# Altium PCB PCB1.PcbDoc
Units mil, origin at the board's own origin, x right, y up, seen from the top; angles counter-clockwise.
Board outline 2765 x 3095 mil, 2 copper layers (Top Layer, Bottom Layer); 35 components, 54 nets, 227 pads, 0 vias.
Unrouted connection lines stored in the file: 79.
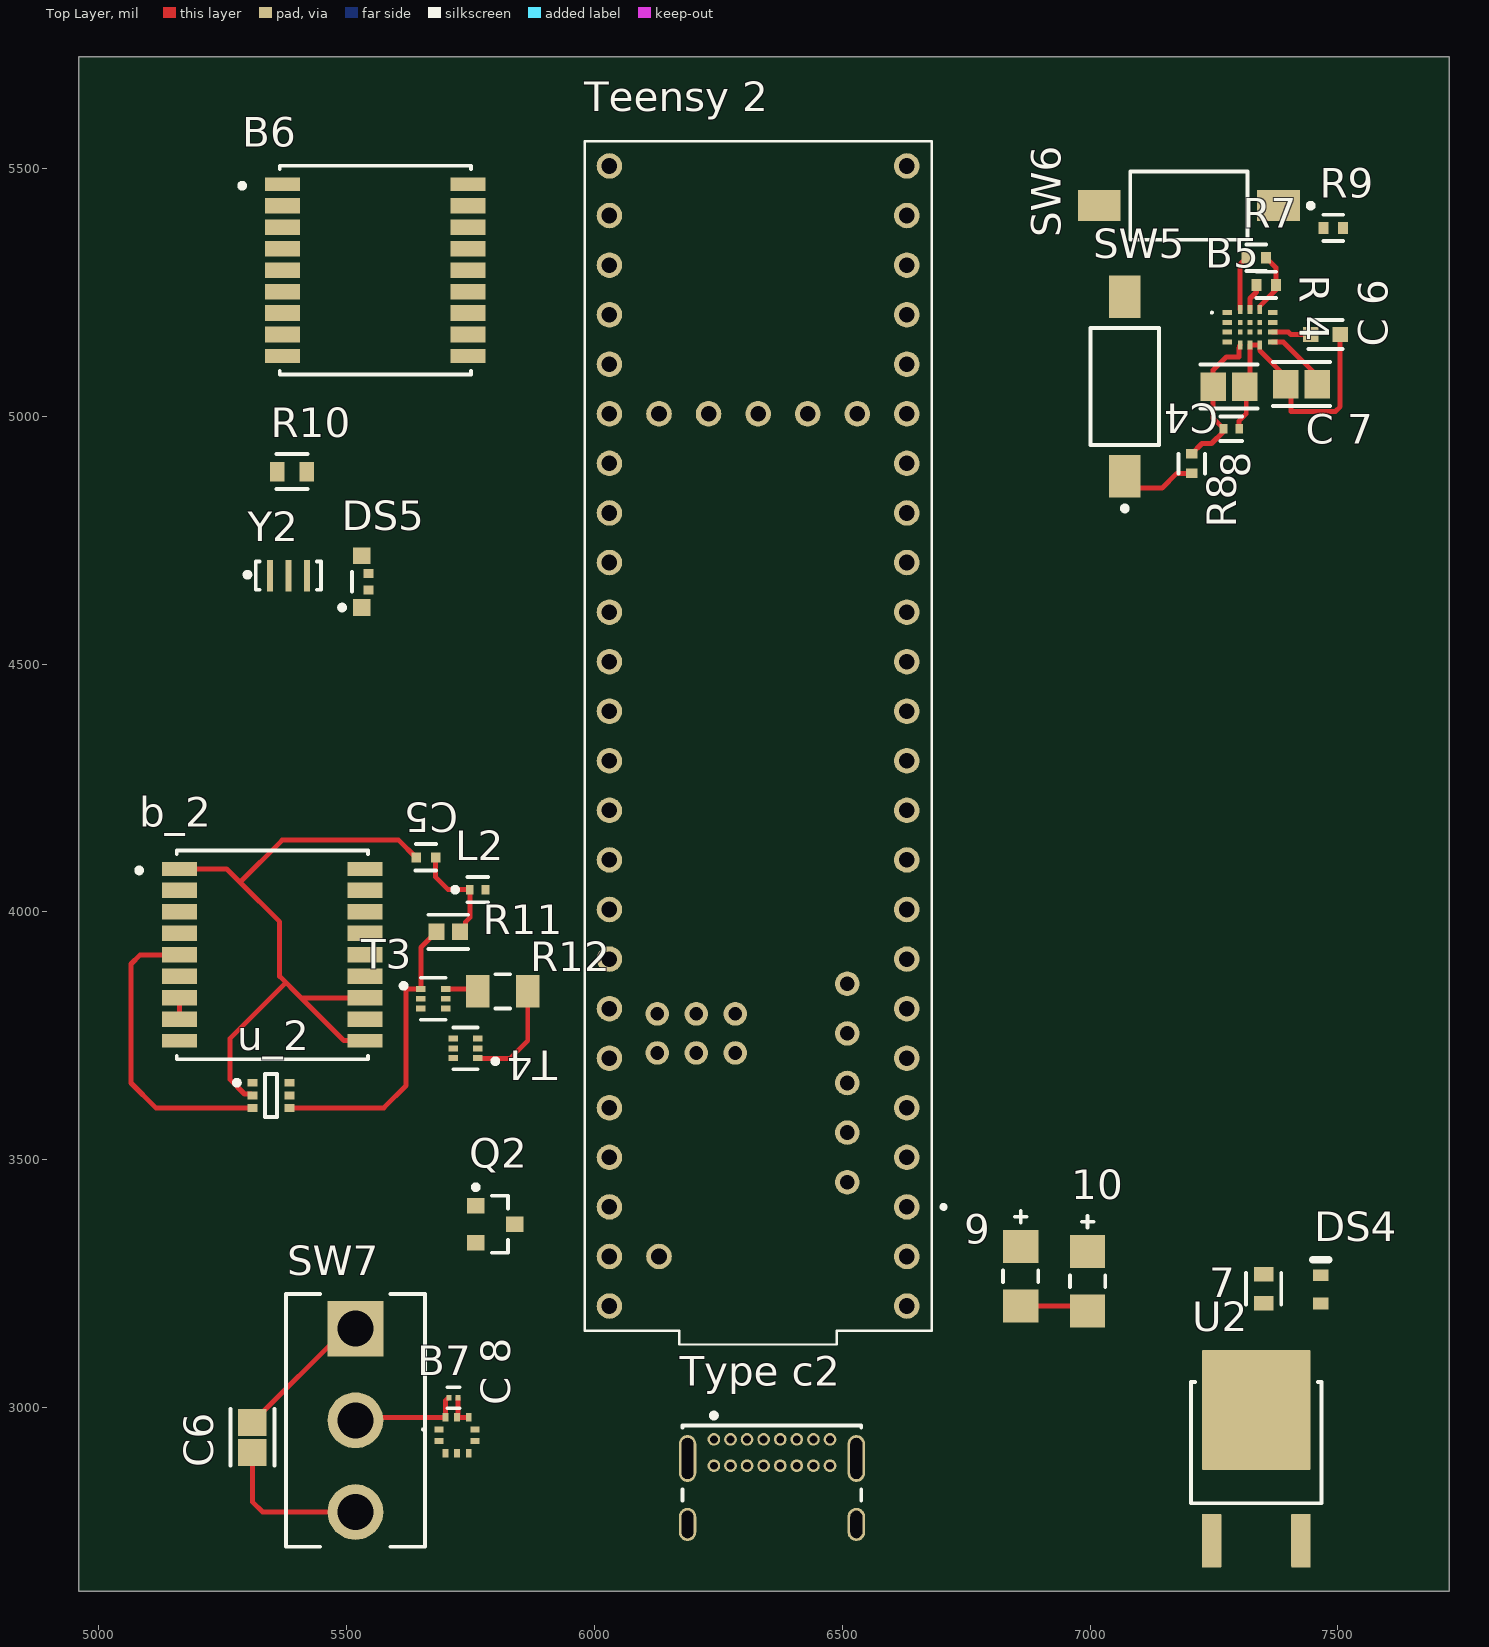
[diagram p0: Top Layer view]
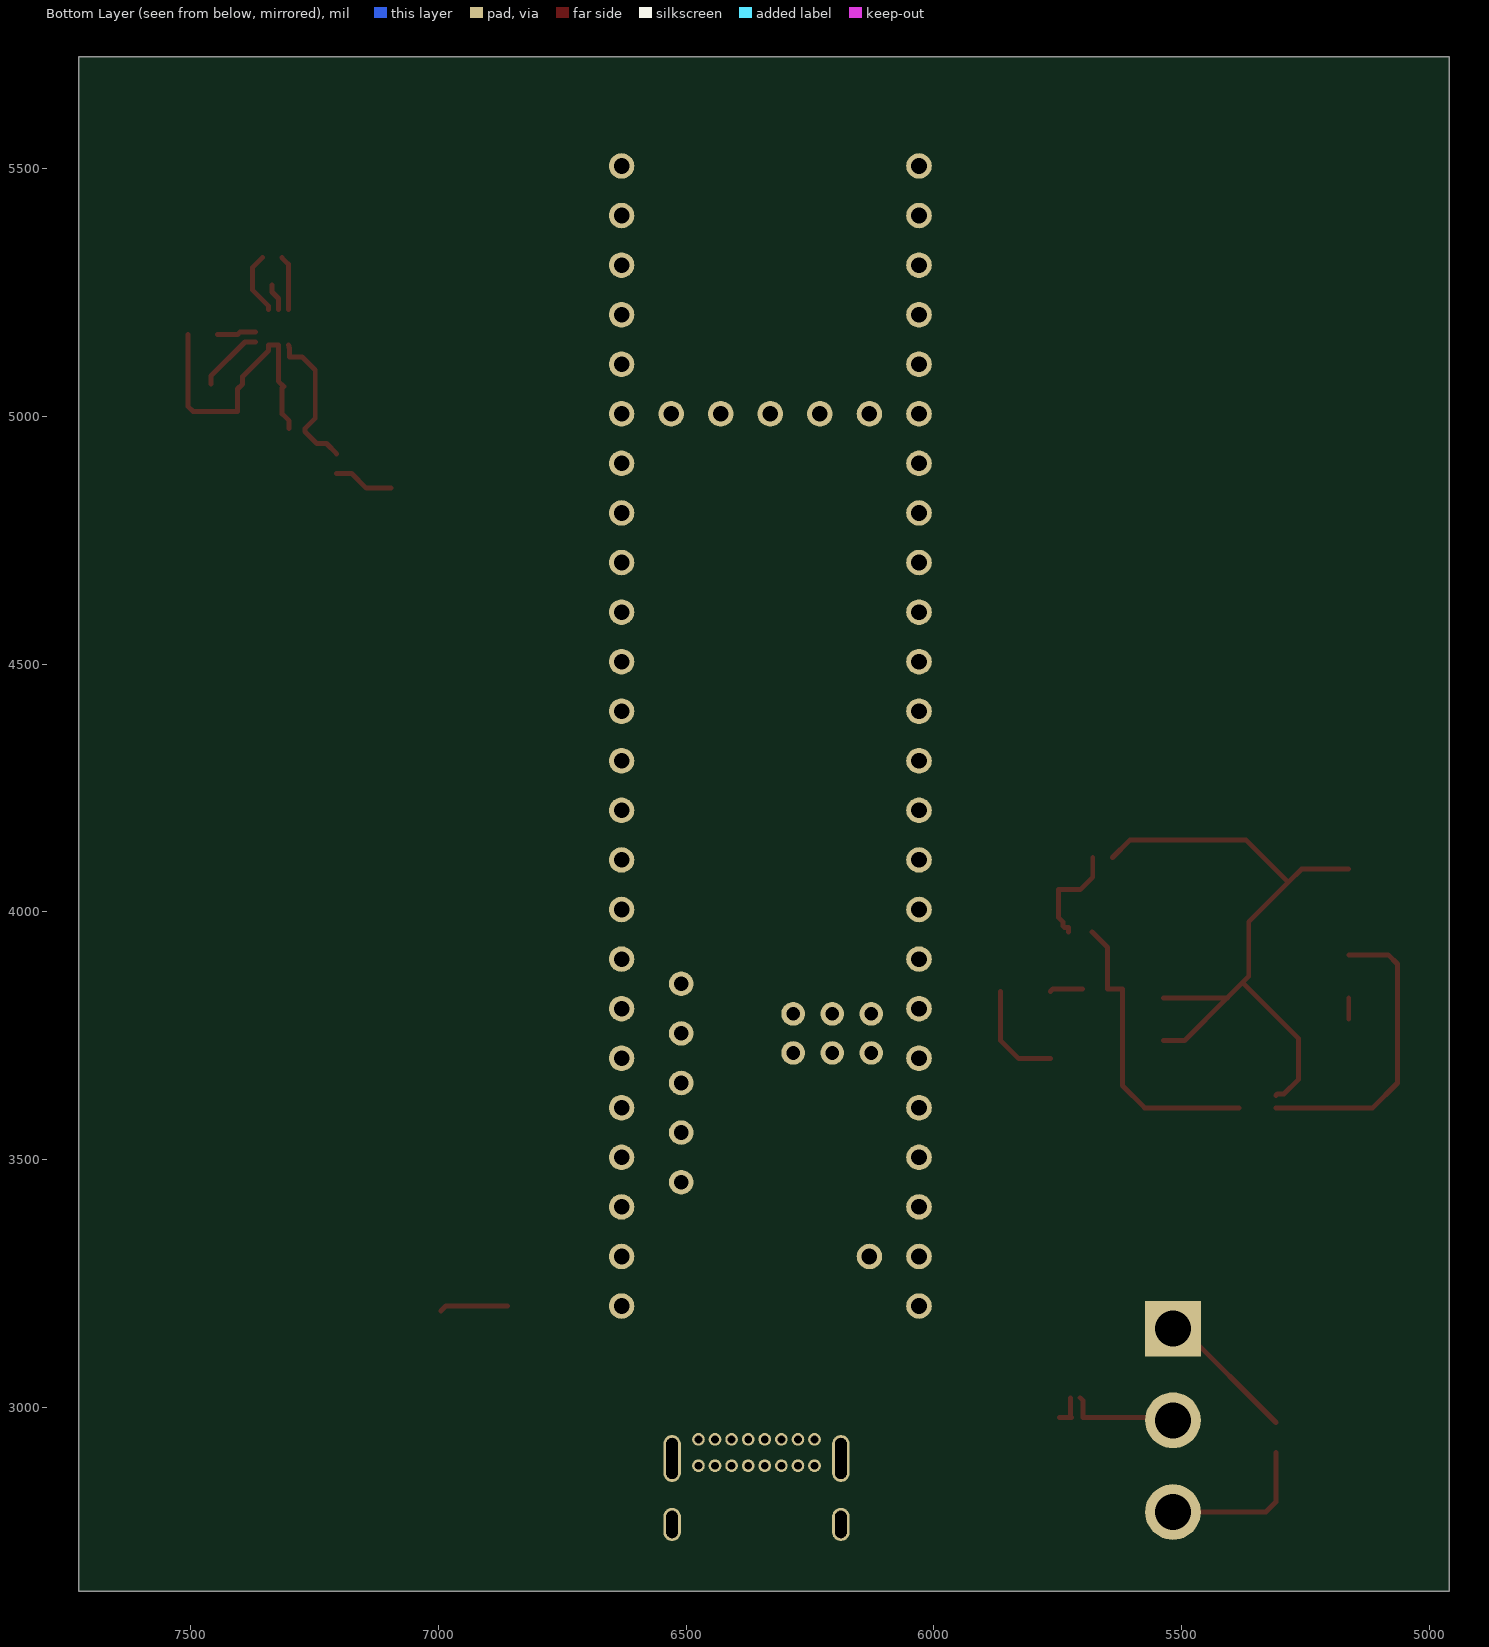
[diagram p1: Bottom Layer view, seen from below]

## Layer stack, top to bottom
Top Solder: solder mask 0.4, Solder Resist, Dk 3.5
Top Layer: signal copper 1.4
Dielectric 1: dielectric 12.6, FR-4, Dk 4.8
Bottom Layer: signal copper 1.4
Bottom Solder: solder mask 0.4, Solder Resist, Dk 3.5

## Board outline
4960,2630 7725,2630 7725,5725 4960,5725

## Design rules (kind name [scope] priority, off if disabled: settings)
Clearance [All] p1: gap=10 ignorepadtopadclearanceinfootprint=FALSE except(0: Arc-Hole Track-Hole SMDPad-Hole THPad-Hole Via-Hole Fill-Hole Poly-Hole Region-Hole Text-Hole)
PolygonConnect [All] p1: connectstyle=Relief reliefconductorwidth=10 reliefentries=4 polygonreliefangle="90 Angle" airgapwidth=10
RoomDefinition Sheet1 [InComponentClass('Sheet1')] p1: confinementstyle=ConfineIn formatcopy=TRUE lockcomponents=FALSE outline 780.22,3110 1190,3110 1190,5695 780.22,5695
RoutingVias [All] p1: holewidth=28 width=50 viastyle="Through Hole" minholewidth=28 minwidth=50 maxholewidth=28 maxwidth=50
SolderMaskExpansion [All] p1: expansion=4 istentingtop=FALSE
Width [All] p1: maxlimit=10 minlimit=10 preferedwidth=10
30 further rules are at their usual default settings.

## Components (designator, comment, footprint, x,y, rotation, side; value= is the part's Value field where it differs from the comment)
7 "CRCW0603220RFKEA" FP-CRCW0603-e3-MFG 7350.22,3240 r90 top
8 "GRM155R61A105KE15D" FP-GRM15-0_1-MFG 7285,4975 r180 top value=1uF
9 "293D105X0016A2TE3" FP-293DA-MFG 6860,3265 r90 top
10 "293D105X0016A2TE3" FP-293DA-MFG 6995,3255 r90 top
B5 "BHI360" BHI360 7322.5,5179.57 r0 top
B6 "MAX-M8Q-0" FP-MAX-M8Q-0-MFG 5557.99,5294.92 r0 top
B7 "LPS25HBTR" LPS25HBTR 5722.82,2944.41 r0 top
b_2 "MAX-M8Q-0" FP-MAX-M8Q-0-MFG 5350.22,3913.54 r0 top
C4 "08051C104K4T2A" FP-0805-L_2_01_0_2-W_1_25-IPC_B 7280,5060 r180 top
C5 "CC0402KPX7R7BB103" FP-CC0402-MFG 5660,4110 r180 top value="10 nF"
C6 "C2012X5R1H475K125AB" FP-C2012-125-0_2-IPC_B 5309.92,2940 r90 top
"C 6" "KAF15BR71E224KT" FP-KAF15B-MFG 7475,5165 r180 top
"C 7" "08051C104K4T2A" FP-0805-L_2_01_0_2-W_1_25-IPC_B 7426.72,5065 r0 top
"C 8" "GRM033R60J104KE19D" FP-GRM033-0_03-MFG 5715.65,3020 r180 top
DS4 "TLMS1000-GS08" VISH-TLMS1000_V 7465.22,3238.54 r90 top
DS5 "HSMF-C113" AVAG-HSMF-C11X_H1_V 5530.22,4666.38 r90 top
L2 "LQG15HN27NJ02D" FP-LQG15HH_02-MFG 5764.25,4045 r0 top
Q2 "MMBTA42LT1G" ONSC-SOT-23-3-318-08_V 5800,3370 r0 top
R7 "AC0402FR-074K7L" FP-AC0402-MFG 7335.31,5320 r0 top
R8 "AC0402FR-074K7L" FP-AC0402-MFG 7205,4904.69 r90 top
R9 "AC0402FR-074K7L" FP-AC0402-MFG 7490.31,5380 r0 top
R10 "CRCW0603220RFKEA" FP-CRCW0603-e3-MFG 5389.75,4888.54 r0 top
R11 "RMCF0603JT100K" FP-RMCF0603-IPC_C 5705,3960 r0 top
R12 "RMCF1206JT10R0" FP-RMCF1206-IPC_C 5815.22,3840 r0 top
"R 4" "AC0402FR-074K7L" FP-AC0402-MFG 7355.31,5265 r0 top
SW5 "FSMSMTR" TECO-FSMSMTR_V 7070,5060 r90 top
SW6 "FSMSMTR" TECO-FSMSMTR_V 7199.09,5425 r180 top
SW7 "A101SYCB04" FP-A101SYCB04-MFG 5517.82,2974.41 r0 top
T3 "SI1016X-T1-GE3" FP-C14-0439-MFG 5675,3825 r0 top
T4 "SI1016X-T1-GE3" FP-C14-0439-MFG 5740,3725 r180 top
"Teensy 2" "Teensy 4.1" MODULE_DEV-16771 6330.22,4355 r90 top
"Type c2" "USB4085-GF-A" FP-USB4085-GF-A-MFG 6358.09,2777.6 r0 top
U2 "LM317MKVURG3" FP-KVU0003A-MFG 7335.22,2929.53 r0 top
u_2 "NC7WZ07P6X" FP-419AD-01-MFG 5347.6,3630 r0 top
Y2 "CSTCE20M0V53-R0" FP-CSTCE_V-MFG 5382.62,4678.54 r0 top

## Footprints (in the part's own frame and the unit in brackets; to place one, negate y for a bottom-side part, rotate by r counter-clockwise, add the part's x,y. Pads: shape width x height; smd on the part's side, far side on the other; paste and mask are expansions set on the pad)
AVAG-HSMF-C11X_H1_V [mm] "SMD, 4-Leads, Body 2.5x1mm"
  rect 0.85x0.9 smd: 1(-1.325,0) 4(1.325,0)
  rect 0.45x0.5 smd: 2(-0.425,-0.35) 3(0.425,-0.35)
  silkscreen extent -1.45,0.5 0.5,1.12, body extent -1.25,-0.5 1.25,0.5, height 1
BHI360 [mm]
  rect 0.475x0.25 smd: 1(-1.163,0.75) 2(-1.163,0.25) 3(-1.163,-0.25) 4(-1.163,-0.75) 8(1.163,-0.75) 9(1.163,-0.25) 10(1.163,0.25) 11(1.163,0.75)
  rect 0.25x0.475 smd: 5(-0.5,-0.913) 6(0,-0.913) 7(0.5,-0.913) 12(0.5,0.912) 13(0,0.912) 14(-0.5,0.912)
  rect 0.25x0.25 smd: 15(-0.5,-0.25) 16(0,-0.25) 17(0.5,-0.25) 18(0.5,0.25) 19(0,0.25) 20(-0.5,0.25)
  silkscreen extent -2,0.7 -1.9,0.8
FP-293DA-MFG [mm]
  rect 1.7x1.8 smd paste+0 mask+0: 1(-1.525,0) 2(1.525,0)
  silkscreen extent -0.3,-0.9 3.35,0.9, body extent -2.47,-1 2.47,1, height 0.25
FP-419AD-01-MFG [mm]
  rect 0.5x0.4 smd paste+0 mask+0: 1(-0.95,0.65) 2(-0.95,0) 3(-0.95,-0.65) 4(0.95,-0.65) 5(0.95,0) 6(0.95,0.65)
  silkscreen extent -1.87,-1.1 0.3,1.1, body extent -1.3,-1.2 1.3,1.2, height 0.25
FP-0805-L_2_01_0_2-W_1_25-IPC_B [mil]
  rect 51.36x57.33 smd paste+0 mask+0: 1(-31.72,0) 2(31.72,0)
  silkscreen extent -57,-44 57,44, body extent -67,-39 67,39, height 10
FP-A101SYCB04-MFG [mil]
  rect 112.37x112.37 hole 73 paste-39370.1 mask+0: 1(0,185)
  round 112.37 hole 73 paste-39370.1 mask+0: 2(0,0) 3(0,-185)
  silkscreen extent -140,-255 140,255, body extent -144,-259 144,259, height 10
FP-AC0402-MFG [mm]
  rect 0.5x0.6 smd paste+0 mask+0: 1(-0.5,0) 2(0.5,0)
  silkscreen extent -0.5,-0.67 0.5,0.67, body extent -0.85,-0.4 0.85,0.4, height 0.25
FP-C14-0439-MFG [mil]
  rect 19x12 smd paste+0 mask+0: 1(-25,20) 2(-25,0) 3(-25,-20) 4(25,-20) 5(25,0) 6(25,20)
  silkscreen extent -65,-42 25,42, body extent -38,-40 38,40, height 10
FP-C2012-125-0_2-IPC_B [mil]
  rect 54.25x57.33 smd paste+0 mask+0: 1(-30.08,0) 2(30.08,0)
  silkscreen extent -57,-44 57,44, body extent -67,-39 67,39, height 10
FP-CC0402-MFG [mm]
  rect 0.5x0.5 smd paste+0 mask+0: 1(-0.5,0) 2(0.5,0)
  silkscreen extent -0.53,-0.68 0.53,0.67, body extent -0.87,-0.48 0.87,0.48, height 0.25
FP-CRCW0603-e3-MFG [mm]
  rect 0.75x1 smd paste+0 mask+0: 1(-0.75,0) 2(0.75,0)
  silkscreen extent -0.8,-0.9 0.8,0.9, body extent -1.22,-0.6 1.22,0.6, height 0.25
FP-CSTCE_V-MFG [mm]
  rect 0.3x1.6 smd paste+0 mask+0: 1(-0.95,0) 2(0,0) 3(0.95,0)
  silkscreen extent -2.22,-0.72 1.68,0.72, body extent -1.78,-0.9 1.78,0.9, height 0.25
FP-GRM15-0_1-MFG [mm]
  rect 0.4x0.5 smd paste+0 mask+0: 1(-0.4,0) 2(0.4,0)
  silkscreen extent -0.55,-0.63 0.55,0.63, body extent -0.7,-0.38 0.7,0.38, height 0.25
FP-GRM033-0_03-MFG [mm]
  rect 0.25x0.3 smd paste+0 mask+0: 1(-0.238,0) 2(0.238,0)
  silkscreen extent -0.32,-0.54 0.32,0.54, body extent -0.46,-0.27 0.46,0.27, height 0.25
FP-KAF15B-MFG [mm]
  rect 0.8x0.75 smd paste+0 mask+0: 1(-0.75,0) 2(0.75,0)
  silkscreen extent -0.87,-0.75 0.87,0.75, body extent -1.25,-0.58 1.25,0.58, height 0.25
FP-KVU0003A-MFG [mm]
  rrect10% 1x2.75 smd paste+0 mask+0: 1(-2.29,-5.025) 3(2.29,-5.025)
  rrect2% 5.55x6.15 smd paste-1000 mask+0: 4(0,1.675)
  silkscreen extent -3.35,-3.11 3.35,3.11, body extent -3.45,-6.5 3.45,4.85, height 0.25
FP-LQG15HH_02-MFG [mm]
  rect 0.4x0.5 smd paste+0 mask+0: 1(-0.4,0) 2(0.4,0)
  silkscreen extent -1.27,-0.64 0.53,0.65, body extent -0.7,-0.38 0.7,0.38, height 0.25
FP-MAX-M8Q-0-MFG [mm]
  rect 1.8x0.7 smd paste-1000 mask-1000: 1(-4.75,4.4) 9(-4.75,-4.4) 10(4.75,-4.4) 18(4.75,4.4)
  rect 1.8x0.8 smd paste-1000 mask-1000: 2(-4.75,3.3) 3(-4.75,2.2) 4(-4.75,1.1) 5(-4.75,0) 6(-4.75,-1.1) 7(-4.75,-2.2) 8(-4.75,-3.3) 11(4.75,-3.3) 12(4.75,-2.2) 13(4.75,-1.1) 14(4.75,0) 15(4.75,1.1) 16(4.75,2.2) 17(4.75,3.3)
  silkscreen extent -6.95,-5.35 4.9,5.35, body extent -6.35,-5.45 6.35,5.45, height 0.25
FP-RMCF0603-IPC_C [mil]
  rect 31.73x33.79 smd paste+0 mask+0: 1(-23.66,0) 2(23.66,0)
  silkscreen extent -40,-34 40,34, body extent -43,-23 43,23, height 10
FP-RMCF1206-IPC_C [mil]
  rect 47.39x65.28 smd paste+0 mask+0: 1(-50.22,0) 2(50.22,0)
  silkscreen extent -15,-34 15,34, body extent -78,-38 78,38, height 10
FP-USB4085-GF-A-MFG [mm]
  rrect100% 0.9x2.4 hole 2.1 slot 0.6 at 0 deg paste-1000 mask+0: 1(-4.325,3.045) 2(4.325,3.045)
  rrect100% 0.9x1.7 hole 1.4 slot 0.6 at 0 deg paste-1000 mask+0: 3(-4.325,-0.335) 4(4.325,-0.335)
  round 0.65 hole 0.4 paste-1000 mask+0: A1(-2.975,4.025) A4(-2.125,4.025) A5(-1.275,4.025) A6(-0.425,4.025) A7(0.425,4.025) A8(1.275,4.025) A9(2.125,4.025) A12(2.975,4.025) B1(2.975,2.675) B4(2.125,2.675) B5(1.275,2.675) B6(0.425,2.675) B7(-0.425,2.675) B8(-1.275,2.675) B9(-2.125,2.675) B12(-2.975,2.675)
  silkscreen extent -4.57,0.89 4.57,5.37, body extent -4.87,-4.83 4.87,4.83, height 0.25
LPS25HBTR [mm]
  rect 0.45x0.3 smd: 1(-0.92,0.3) 2(-0.92,-0.3) 6(0.92,-0.3) 7(0.92,0.3)
  rect 0.3x0.45 smd: 3(-0.6,-0.92) 4(0,-0.92) 5(0.6,-0.92) 8(0.6,0.92) 9(0,0.92) 10(-0.6,0.92)
  silkscreen extent -1.8,0.25 -1.7,0.35
MODULE_DEV-16771 [mm]
  round 1.308 hole 0.8: 0(-26.67,-7.62) 1(-24.13,-7.62) 2(-21.59,-7.62) 3(-19.05,-7.62) 3.3V_1(6.35,-7.62) 3.3V_2(-24.13,7.62) 3.3V_3(16.51,-2.54) 4(-16.51,-7.62) 5(-13.97,-7.62) 6(-11.43,-7.62) 7(-8.89,-7.62) 8(-6.35,-7.62) 9(-3.81,-7.62) 10(-1.27,-7.62) 11(1.27,-7.62) 12(3.81,-7.62) 13(3.81,7.62) 14(1.27,7.62) 15(-1.27,7.62) 16(-3.81,7.62) 17(-6.35,7.62) 18(-8.89,7.62) 19(-11.43,7.62) 20(-13.97,7.62) 21(-16.51,7.62) 22(-19.05,7.62) 23(-21.59,7.62) 24(8.89,-7.62) 25(11.43,-7.62) 26(13.97,-7.62) 27(16.51,-7.62) 28(19.05,-7.62) 29(21.59,-7.62) 30(24.13,-7.62) 31(26.67,-7.62) 32(29.21,-7.62) 33(29.21,7.62) 34(26.67,7.62) 35(24.13,7.62) 36(21.59,7.62) 37(19.05,7.62) 38(16.51,7.62) 39(13.97,7.62) 40(11.43,7.62) 41(8.89,7.62) GND1(-29.21,-7.62) GND2(6.35,7.62) GND3(-26.67,7.62) GND4(16.51,0) ON/OFF(16.51,5.08) PROGRAM(16.51,2.54) VBAT(16.51,-5.08) VIN(-29.21,7.62) VUSB(-26.67,5.08)
  round 1.258 hole 0.75: 5V(-22.86,-4.57) D+(-17.78,-4.57) D-(-20.32,-4.57) USB_GND1(-15.24,-4.57) USB_GND2(-12.7,-4.57)
  round 1.208 hole 0.7: GND5(-14.24,3.17) LED(-16.24,3.17) R+(-16.24,5.17) R-(-14.24,5.17) T+(-14.24,1.17) T-(-16.24,1.17)
  silkscreen extent -31.18,-9.6 30.48,8.89, body extent -31.18,-8.89 30.48,8.89, height 7.15
ONSC-SOT-23-3-318-08_V [mm] "SOT23, 3-Leads, Body 2.92x1.3mm, Pitch 0.95mm"
  rect 0.9x0.8 smd: 1(-1,0.95) 2(-1,-0.95) 3(1,0)
  silkscreen extent -1.12,-1.46 0.65,2.02, body extent -0.65,-1.46 0.65,1.46, height 1.11
TECO-FSMSMTR_V [mm] "SMD, 2-Leads, Body 6x3.5mm, Pitch 9.19mm"
  rect 2.2x1.6 smd: 1(-4.595,0)
  rect 2.18x1.6 smd: 2(4.595,0)
  silkscreen extent -6.37,-1.75 3,1.75, body extent -4.98,-1.75 4.98,1.75, height 4.4
VISH-TLMS1000_V [mm] "SMD, 2-Leads, Body 0.8x1.6mm"
  rect 0.6x0.8 smd: 1(-0.725,0) 2(0.725,0)
  silkscreen extent 1.52,-0.4 1.52,0.4, body extent -0.8,-0.4 0.8,0.4, height 0.65

## Part data
7 R10: library part CMP-2000-03085-2, "RES Thick Film, 220Ω, 1%, 0.1W, 100ppm/°C, 0603", Case Code (Imperial)=0603, Case Code (Metric)=1608, Max Operating Temperature=155°C, Max Power Dissipation=100mW, Min Operating Temperature=-55°C, Package Quantity=10, Resistance=220R, Temperature Coefficient=100ppm/°C, Tolerance=1%, Voltage Rating=75V, Case/Package=0603, Composition="Thick Film", Contact Plating=Tin, Depth=0.85mm, Features="Automotive AEC-Q200", Height=0.45mm, Lead Free="Lead Free", Length=1.55mm, Military Standard=Not, Number of Terminations=2, Packaging="Tape and Reel", Power Rating=100mW, Radiation Hardening=No, Termination=SMD/SMT, Voltage Rating (DC)=75V, Weight=7.1E-05oz, Width=0.033inch
8: library part CMP-2008-04556-2, "CAP CER 1UF 10V X5R 0402", Capacitance=1uF, Manufacturer=Murata, Package=GRM15-0.1, Temperature="-55°C to +85°C", Temperature Characteristic=X5R, Temperature Coefficient=15%, Temperature Range High=+85°C, Temperature Range Low=-55°C, Tolerance=10%, Voltage Rating=10V, Automotive=No, Category=Cap, ComponentLink2Description=Datasheet, ComponentLink2URL=https://search.murata.co.jp/Ceramy/image/img/A01X/G101/ENG/GRM155R61A105KE15-01A.pdf, Device Class L1="Passive Components", Device Class L2=Capacitors, Device Class L3="Ceramic Capacitors", Digikey Description="CAP CER 1UF 10V X5R 0402", Height=0.55mm, Ipc Land Pattern Name=CAPC10050X50, Lead Free=Yes, Manufacturer Part Number=GRM155R61A105KE15D, Material=Ceramic, Mouser Description="0402 1 uF 10 V ±10% Tolerance X5R Surface Mount Multilayer Ceramic Capacitor", Octopart=https://octopart.com/grm155r61a105ke15d-murata-197442, RoHS=TRUE
9 10: library part CMP-00030-40940187-1, "293D105X0016A2TE3 Surface Mount Tantalum Capacitor, 1 uF, 16 V, ± 20%, -55 °C, 125 °C, 1206 [3216-18 Metric]", Capacitance=1µF, Case Code (Imperial)=1206, Case Code (Metric)=3216, Dielectric Material=Tantalum, ESR (Equivalent Series Resistance)=9.3Ω, Leakage Current=500nA, Max Operating Temperature=125°C, Min Operating Temperature=-55°C, Ripple Current=90mA, Tolerance=20%, Voltage Rating=16V, Case/Package=1206, Depth=1.6mm, Dissipation Factor=4%, Features="General Purpose", Height=1.8mm, Height - Seated (Max)=1.8034mm, Lead Free="Lead Free", Length=3.2mm, Mount="PCB, Surface Mount", NexarPartId=40940187, Number of Pins=2, Packaging="Tape and Reel", Polarity=Polar, Radiation Hardening=No, REACH SVHC=Unknown, RoHS=Compliant, Schedule B="8532210050, 8532210050", Termination=SMD/SMT, Voltage Rating (DC)=16V, Width=1.6002mm
B5: "IMUs - Inertial Measurement Units Programmable smart sensor combining accelerometer, gyroscope and fusion software", Manufacturer_Name=BOSCH, Mouser Part Number=262-BHI360, Datasheet Link=https://www.bosch-sensortec.com/media/boschsensortec/downloads/datasheets/bst-bhi360-ds000.pdf, Geometry.Height=1mm, Manufacturer_Part_Number=BHI360, Mouser Price/Stock=https://www.mouser.co.uk/ProductDetail/Bosch-Sensortec/BHI360?qs=ulEaXIWI0c93cz3Dqv%252BGgg%3D%3D
B6 b_2: library part CMP-207130-000017-1, "RF RCVR GNSS/GPS 1.575GHZ 18LCC", Case/Package=SMD/SMT, Current - Receiving=23mA, Frequency=1.575GHz, Max Operating Temperature=85°C, Min Operating Temperature=-40°C, Interface=I2C, Packaging="Cut Tape", RoHS Compliant=Yes, Sensitivity=-167dBm
B7: "Board Mount Pressure Sensor 26kPa to 126kPa Absolute 10-Pin HLGA T/R", Manufacturer_Name=STMicroelectronics, Mouser Part Number=511-LPS25HBTR, Datasheet Link=https://www.st.com/resource/en/datasheet/lps25hb.pdf, Geometry.Height=0.8mm, Manufacturer_Part_Number=LPS25HBTR, Mouser Price/Stock=https://www.mouser.co.uk/ProductDetail/STMicroelectronics/LPS25HBTR?qs=GDOUxV2YAh9IvjPyBKWGzQ%3D%3D
C4 "C 7": library part CMP-2007-04172-2, "Automotive Ceramic Capacitor, 0805, 100nF, 10%, X7R, 15%, 100V", Capacitance=100nF, Case Code (Imperial)=0805, Case Code (Metric)=2012, Dielectric=X7R, Dielectric Material=Ceramic, Max Operating Temperature=125°C, Min Operating Temperature=-55°C, Package Quantity=1, Ratings=AEC-Q200, Tolerance=10%, Voltage=100V, Case/Package=0805, Construction=Flat, Depth=1.25mm, Height=1.4mm, Lead Free="Lead Free", Length=2.01mm, Mount="Surface Mount", Number of Pins=2, Packaging="Tape and Reel", Radiation Hardening=No, REACH SVHC="No SVHC", RoHS Compliant=Yes, Series=-, Termination=SMD/SMT, Thickness=0.055inch, Voltage Rating=100V, Voltage Rating (DC)=100V, Width=0.049inch
C5: library part CMP-03422-000420-1, "CC0402 10 nF X7R 10.00% 16 V", Capacitance="10 nF", Manufacturer=YAGEO, Package=CC0402, Temperature="-55°C to +125°C", Temperature Characteristic=X7R, Temperature Coefficient=30ppm/°C, Temperature Range High=+125°C, Temperature Range Low=-55°C, Tolerance=0.1, Voltage Rating="16 V", Automotive=No, Automotive Grade=NA, Category=Cap, ComponentLink2Description=Datasheet, ComponentLink2URL=http://www.yageo.com/documents/recent/UPY-GP_NP0_16V-to-50V_16.pdf, Device Class L1="Passive Components", Device Class L2=Capacitors, Device Class L3="Ceramic Capacitors", Footprint Url=http://www.yageo.com/exep/pages/download/literatures/UPY-C_GEN_24.pdf, Height=0.55mm, Ipc Land Pattern Name=CAPC10050X50, Lead Free=Yes, Manufacturer Part Number=CC0402KPX7R7BB103, Material=Ceramic, Mouser Description="Multilayer Ceramic Capacitors MLCC - SMD/SMT 10nF 16V X7R 10%", Octopart=https://octopart.com/cc0402kpx7r7bb103-yageo-12885102, RoHS=TRUE
C6: library part CMP-08246-000007-2, "Multilayer Ceramic Capacitors 4.7μF ±10% 50V X5R SMD 0805", Capacitance=4.7uF, Case Code (Imperial)=0805, Case Code (Metric)=2012, Dielectric=X5R, Dielectric Material=Ceramic, Max Operating Temperature=85°C, Min Operating Temperature=-55°C, Package Quantity=1, Tolerance=10%, Voltage=50V, Case/Package=0805, Construction=Flat, Depth=1.25mm, Height=1.25mm, Lead Free="Lead Free", Length=2mm, Mount="Surface Mount", Packaging="Tape and Reel", Radiation Hardening=No, REACH SVHC="No SVHC", Resistor Type=Ceramic, Series=C, Termination=SMD/SMT, Thickness=0.057inch, Voltage Rating=50V, Voltage Rating (DC)=50V, Weight=0.000194oz, Width=0.049inch
"C 6": library part CMP-00048-140164113-1, "KAF15BR71E224KT .22UF 25V 10% 0603", Capacitance=220nF, Case/Package=0603, Max Operating Temperature=125°C, Min Operating Temperature=-55°C, Tolerance=10%, Voltage Rating=25V, Height=950µm, Material=Ceramic, NexarPartId=140164113
"C 8": library part CMP-06035-000062-2, "Chip Multilayer Ceramic Capacitors for General Purpose, 0201, 0.10uF, X5R, 15%, 10%, 6.3V", Capacitance=100nF, Case Code (Imperial)=0201, Case Code (Metric)=0603, Dielectric=X5R, Max Operating Temperature=85°C, Min Operating Temperature=-55°C, Package Quantity=1, Tolerance=10%, Voltage=6.3V, Case/Package=0201, Depth=0.3mm, Height=0.3mm, Lead Free="Lead Free", Length=0.6mm, Material=Ceramic, Mount="Surface Mount", Packaging="Tape and Reel", Radiation Hardening=No, REACH SVHC="No SVHC", Termination=SMD/SMT, Thickness=0.013inch, Voltage Rating=6.3V, Voltage Rating (DC)=6.3V, Weight=6E-06oz, Width=0.012inch
DS4: library part CMP-2000-07254-1, "Low Current LED, 40 mW, 1.8 V, -40 to 100 degC, 2-Pin SMD (0603), RoHS, Tape and Reel", Forward Current If=2mA, Forward Voltage=1.8V, LED Colour=Red, Manufacturer=Vishay, Package Description="2-Pin Surface Mount Device, Body 1.6 x 0.8 mm", Package Reference=TLMS1000, Automotive Qualification Standard=AEC-Q100, Bulb Size=1.6mmx0.8mm, Datasheet URL=https://datasheet.ciiva.com/5798/1698881-5798337.pdf, Datasheet Version="Rev. 1.7, 02/2011", LED Mounting=SMD, Lens Shape=Rectangular, Luminous Intensity=4mcd, Manufacturer URL=http://www.vishay.com/, Mounting Technology=SurfaceMount, MSL=MSL2-1year, Packaging=CutTape, Product Range=-, SVHC=ToBeAdvised, Viewing Angle=80°, Wavelength Typ=636nm
DS5: library part CMP-2000-06422-1, "Right Angle Tricolor Surface Mount Chip LED, Red/Green/Blue, -40 to 85 degC, 4-Pin SMD, RoHS, Tape and Reel", Forward Current=20mA, Forward Voltage=3.9/2.6/2V, Manufacturer=Avago, Operating Temp Range=-40Cto85C, Operating Temperature Classification=Industrial, Package Description="4-Pin Surface Mount Device, Body 2.5 x 1 mm", Package Reference=HSMF-C11X, Package Type=ChipLed, Power Dissipation=59/39/36W, Reverse Voltage=5V, Datasheet URL=https://datasheet.ciiva.com/15117/getdatasheetpartid-133115-15117679.pdf, Datasheet Version=04/2010, DELETED=Compliant, Dominant Wave Length=470/572/626nm, High Brightness=Yes, Lens Dimensions=2.1x1x0.5mm, Lens Type=ColorlessDiffused, Lum Intensity=60/50/80mcd, Luminous Intensity=60/50/80mcd, Main Category=ChipLED, Manufacturer URL=http://www.avagotech.com/, Mounting=SurfaceMount, Mounting Technology=SurfaceMount, Number of  Elements=3, Packaging=TapeandReel, Peak Wavelength=468/570/637nm, Pin Count=4, Product Depth (mm)=1mm, Product Height (mm)=1mm, Product Length (mm)=2.5mm, Rad Hardened=No, Shape Type=Rectangular, Test Current (It)=20mA, Type=Tri-Color, Viewing Angle=125/125/120deg
L2: library part CMP-06042-015205-1, "Multilayer type RF Inductor 27nH ±5% 0.67Ω 300mA 0402", Case Code (Imperial)=0402, Case Code (Metric)=1005, Current Rating=300mA, DC Resistance (DCR)=670mR, Inductance=27nH, Inductance Tolerance=5%, Max Operating Temperature=125°C, Min Operating Temperature=-55°C, Package Quantity=10000, Self Resonant Frequency=1.6GHz, Test Frequency=100MHz, Case/Package=0402, Core Material=Air, DC Current=300mA, Depth=0.55mm, Height=0.02inch, Height - Seated (Max)=0.022inch, Lead Free="Lead Free", Length=0.039inch, Max DC Current=300mA, Military Standard=Not, Mount="Surface Mount", Packaging="Tape and Reel", Q Factor=8, Radiation Hardening=No, REACH SVHC="No SVHC", Shielding=Unshielded, Termination=SMD/SMT, Tolerance=5%, Width=0.02inch
Q2: library part CMP-1048-00662-1, "High Voltage Transistor, NPN Silicon, 3-Pin SOT-23, Pb-Free, Tape and Reel", Manufacturer="On Semiconductor", ComponentLink1Description="Manufacturer URL", ComponentLink1URL=http://www.onsemi.com/, ComponentLink2Description=Datasheet, ComponentLink2URL=http://www.onsemi.cn/pub_link/Collateral/MMBTA42LT1-D.PDF, ComponentLink3Description="Package Specification", ComponentLink3URL=http://www.onsemi.cn/pub_link/Collateral/318-08.PDF, DatasheetVersion="Rev. 12", fT Min (MHz)=50, IC Continuous (A)=0.5, Mounting Technology="Surface Mount", PackageDescription="3-Pin Small Outline Transistor, Body 2.92 x 1.3 mm, Pitch 0.95 mm", PackageReference=SOT-23-3-318-08, PackageVersion="Rev. AP, 11/2009", Packing="Tape and Reel", PartNumber=MMBTA42LT1G, Polarity=NPN, RoHS=TRUE
R7 R8 R9 "R 4": library part CMP-2002-01824-3, "RES 4.7kΩ ±1% 0.063W 0402", Case Code (Imperial)=0402, Case Code (Metric)=1005, Max Operating Temperature=155°C, Max Power Dissipation=63mW, Min Operating Temperature=-55°C, Power Rating=62.5mW, Resistance=4.7kR, Resistor Type="Thick Film", Temperature Coefficient=100ppm/°C, Tolerance=1%, Voltage Rating=50V, Case/Package=0402, Features="Moisture Resistant", Height=0.015inch, Lead Free="Lead Free", Length=0.039inch, Number of Terminations=2, Packaging="Tape and Reel", RoHS Compliant=Yes, Series=AC, Size Code=0402, Termination=SMD/SMT, Weight=2.3E-05oz, Width=0.5mm
R11: library part CMP-26527-000115-1, "100kΩ ±5% 0.1W 0603 Thick Film Chip Resistor AEC-Q200 compliant", Case Code (Imperial)=0603, Case Code (Metric)=1608, Max Operating Temperature=155°C, Max Power Dissipation=100mW, Min Operating Temperature=-55°C, Resistance=100kR, Resistor Type="Thick Film", Temperature Coefficient=100ppm/°C, Tolerance=5%, Case/Package=0603, Construction=Rectangular, Contact Plating=Tin, Depth=0.8mm, Features="Automotive AEC-Q200", Height=0.022inch, Lead Free="Lead Free", Length=1.55mm, Military Standard=Not, Mount="Surface Mount", Number of Terminations=2, Packaging="Tape and Reel", Power Rating=100mW, Radiation Hardening=No, RoHS Compliant=Yes, Series=RMCF, Width=0.031inch
R12: library part CMP-26527-003359-1, "10Ω ±5% 0.25W 1206 Thick Film Chip Resistor AEC-Q200 compliant", Case Code (Imperial)=1206, Case Code (Metric)=3216, Max Operating Temperature=155°C, Max Power Dissipation=250mW, Min Operating Temperature=-55°C, Resistance=10R, Resistor Type="Thick Film", Temperature Coefficient=200ppm/°C, Tolerance=5%, Case/Package=1206, Construction=Rectangular, Contact Plating=Tin, Depth=1.6mm, Features="Automotive AEC-Q200", Height=0.028inch, Lead Free="Lead Free", Length=3.2mm, Military Standard=Not, Mount="Surface Mount", Number of Terminations=2, Packaging="Tape and Reel", Power Rating=250mW, Radiation Hardening=No, RoHS Compliant=Yes, Series=RMCF, Size Code=1206, Width=0.063inch
SW5 SW6: library part CMP-2000-07501-1, "FSMSM Push Button Switch, 50 mA, -35 to 85 degC, 2-Pin SMD, RoHS, Tape and Reel", Case\/Package=SMD/SMT, Contact Current Rating=50mA, Contact Resistance=100mOhm, Manufacturer="TE Connectivity", Max Operating Temperature=85degC, Max Voltage Rating (DC)=12V, Min Operating Temperature=-35degC, Operating Force=180gf, Package Description="2-Pin Surface Mount Device, Body 6 x 3.5 mm, Pitch 9.19 mm", Package Quantity=1800, Voltage Rating (DC)=24V, Actuator Length=1.07mm, Actuator Material=Polyamide, Contact Material=Brass, Contact Plating=Silver, Current Rating=50mA, Datasheet URL=http://www.te.com/commerce/DocumentDelivery/DDEController?Action=showdoc&DocId=Customer+Drawing%7F1437566-3%7FC2%7Fpdf%7FEnglish%7FENG_CD_1437566-3_C2_1437566_3_1_c.dwg.pdf%7F1437566-4, Datasheet Version="Rev. C2, 08/2014", Electrical Life=20000Cycles, ELV=Compliant, Illumination Type=Illuminated, Lead Free=LeadFree, Manufacturer URL=http://www.te.com/, Mechanical Life=20000Cycles, Mount=SurfaceMount, Mounting Technology=SurfaceMount, Orientation=Straight, Package Reference=FSMSMTR, Packaging=TapeandReel, REACH SVHC=Unknown, RoHSCompliant=true, Switch Travel=0.25mm, Termination=GullWing, Throw Configuration=SPST
SW7: library part CMP-03408-000017-1, "SWITCH TOGGLE SPDT 0.4VA 20V", Actuator Color=Chrome, Contact Current Rating=400mA, Contact Resistance=10mR, Flammability Rating="UL94 V-1", Insulation Resistance=30MR, Max Operating Temperature=85°C, Max Voltage Rating (AC)=20V, Min Operating Temperature=-30°C, Package Quantity=100, Power Rating=400mW, Actuator Length=10.41mm, Actuator Material=Phenolic, Actuator Type="Standard Round", Contact Material=Copper, Contact Plating=Gold, Depth=6.86mm, Electrical Life=6000Cycles, ELV=Compliant, Illumination Type=Non-Illuminated, Lead Free="Lead Free", Max Voltage Rating (DC)=20V, Mount=Panel, Number of Poles=1, Number of Positions=2, Orientation=Straight, Packaging=Bulk, Radiation Hardening=No, REACH SVHC="No SVHC", RoHS Compliant=Yes, Series="Gemini A", Switch Function=On-On, Termination="PC Pins", Throw Configuration=SPDT, Voltage Rating (AC)=20V, Voltage Rating (DC)=20V
T3 T4: library part CMP-02550-000285-1, "MOSFET N/P-CH 20V SC89-6", Case/Package=SOT-563, Continuous Drain Current (ID)=370mA, Drain to Source Breakdown Voltage=20V, Drain to Source Resistance=800mR, Drain-source On Resistance-Max=700mR, Gate to Source Voltage (Vgs)=6V, Max Operating Temperature=150°C, Max Power Dissipation=250mW, Min Operating Temperature=-55°C, Package Quantity=3000, Drain to Source Voltage (Vdss)=20V, FET Type="N and P-Channel", Height=0.6mm, Lead Free="Lead Free", Length=1.7mm, Mount="Surface Mount", Number of Channels=2, Number of Elements=2, Number of Pins=6, On-State Resistance=700mR, Packaging="Tape and Reel", Polarity=N-CHANNEL, Power Dissipation=250mW, Radiation Hardening=No, Rds On Max=700mR, RoHS Compliant=Yes, Series=TrenchFET®, Weight=0.001129oz, Width=1.2mm
"Teensy 2": library part CMP-003-000000-1, "RT1062 Teensy 4.1 series ARMÂ® CortexÂ®-M7 MPU Embedded Evaluation Board", Package=None, Availability="In Stock", Check_prices=https://www.snapeda.com/parts/DEV-16771/SparkFun+Electronics/view-part/?ref=eda, Component Type=Standard, Design Item ID=DEV-16771, MF="SparkFun Electronics", MP=DEV-16771, Pin Count=65, Price=None, Purchase-URL=https://pricing.snapeda.com/search/part/DEV-16771/?ref=eda, SnapEDA_Link=https://www.snapeda.com/parts/DEV-16771/SparkFun+Electronics/view-part/?ref=snap, Source=DEV-16771.SchLib
"Type c2": library part CMP-196119-000001-2, "CONN RCPT USB2.0 TYPE C 24POS RA", Contact Material="Copper Alloy", Contact Plating=Gold, Gender=Receptacle, Number of Positions=16, Orientation="Right Angle", USB Standard="USB 2.0"
U2: library part CMP-04917-000136-1, "IC REG LIN POS ADJ 500MA TO252-3", Case/Package=TO-252-3, Dropout Voltage=2V, Max Input Voltage=40V, Max Operating Temperature=125°C, Max Output Current=500mA, Max Output Voltage=37V, Min Input Voltage=4.2V, Min Operating Temperature=-40°C, Min Output Voltage=1.25V, Package Quantity=2500, Power Supply Rejection Ratio (PSRR)=80dB, Quiescent Current=3.5mA, Reference Voltage=1.3V, Contact Plating=Tin, Height=2.39mm, Lead Free="Lead Free", Length=6.7mm, Min Current Limit=500mA, Mount="Surface Mount", Number of Outputs=1, Number of Pins=3, Number of Regulators=1, Output Current=500mA, Output Type=Adjustable, Output Voltage=37V, Packaging="Tape and Reel", Polarity=Positive, Radiation Hardening=No, REACH SVHC="No SVHC", RoHS Compliant=Yes, Weight=0.011598oz, Width=6.22mm
u_2: library part CMP-2000-06822-2, "IC BUF NON-INVERT 5.5V SC70-6", Case/Package=SC, High Level Output Current=32mA, Max Operating Temperature=85°C, Max Power Dissipation=180mW, Max Supply Current=24mA, Max Supply Voltage=5.5V, Min Operating Temperature=-40°C, Min Supply Voltage=1.65V, Package Quantity=1, Quiescent Current=1uA, Height=1mm, Lead Free="Lead Free", Length=2mm, Logic Function=Buffer, Low Level Output Current=32mA, Mount="Surface Mount", Number of Bits=2, Number of Bits per Element=1, Number of Channels=2, Number of Circuits=2, Number of Elements=2, Number of Input Lines=2, Number of Inputs=2, Number of Output Lines=2, Number of Outputs=2, Number of Pins=6, Packaging="Tape and Reel", Polarity=Non-Inverting, Propagation Delay=12.6ns, Radiation Hardening=No, REACH SVHC="No SVHC", Termination=SMD/SMT, Turn-On Delay Time=11.5ns, Weight=0.028g, Width=1.25mm
Y2: library part CMP-06057-000013-1, "CERAMIC RES 20.0000MHZ 15PF SMD", Capacitance=15pF, Case/Package=SMD/SMT, Frequency=20MHz, Frequency Stability=0.3%, Frequency Tolerance=0.5%, Max Operating Temperature=80°C, Min Operating Temperature=-20°C, Package Quantity=3000, Resistor Type=Ceramic, Contact Plating=Gold, Height=0.039inch, Impedance=40R, Lead Free="Lead Free", Length=0.126inch, Load Capacitance=15pF, Mount="Surface Mount", Number of Pins=3, Packaging="Tape and Reel", REACH SVHC="No SVHC", Self Resonant Frequency=20MHz, Termination=SMD/SMT, Tolerance=0.5%, Width=0.051inch

## Nets (pads, with @x,y where several pads share a name; then routed paths per layer and width w, separated by ;. In a path a pad name is that pad's centre, name@x,y a point inside that pad or via, vN(x,y) a via of type N, cw(c..) or ccw(c..) an arc to the next point about the centre after c; other vN are vias at no path point)
3.3V: 10.2 "Teensy 2.3.3V_2"
+5: 9.2 "Teensy 2.5V"
antenna: B6.11 b_2.11 L2.2
"AVDD 1.8V": "C 7.2" B5.8 | length 135.1
  Top Layer w10: B5.8 7389.96,5150.04 7458.45,5081.55 7458.45,5065
GND: 8.1 9.1 10.1 "C 6.1" "C 7.1" "C 8.1" "Teensy 2.GND1" "Teensy 2.GND2" "Teensy 2.GND3" "Teensy 2.GND4" "Teensy 2.GND5" "Teensy 2.USB_GND1" "Teensy 2.USB_GND2" "Type c2.A1" "Type c2.A12" "Type c2.B1" "Type c2.B12" B5.1 B5.6 B5.7 B6.1 B6.10 B6.12 B6.15 B7.3 B7.8 B7.9 b_2.1 b_2.10 b_2.12 C4.1 C5.2 DS4.2 R10.1 T4.6 Y2.2 Y2.3 | length 1927.7
  Top Layer w10: b_2.1 5258.23,4086.77 5285,4060 ; b_2.10 5494.69,3740.32 5408.07,3826.93 ; b_2.12 5408.07,3826.93 ; C5.2 5640,4110 5605,4145 5370,4145 5285,4060 ; 5725,3020 5725,2982.81 B7.9 B7.8 ; 9.1 6985,3204.96 10.1 ; 8.1 7300.75,4990.75 7315,5005 7315,5056.72 C4.1 7322.74,5071.02 7322.74,5143.62 B5.7 7342.19,5132.81 7395,5080 7395,5065 7405,5055 7405,5010 7495,5010 7504.53,5019.53 7504.53,5165 ; 5285,4060 5365,3980 5365,3870 5408.07,3826.93
Net7_1: 7.1 DS4.1
Net7_2: 7.2 Q2.2 U2.4
NetB5_2: B5.2 SW5.2
NetB5_3: B5.3 SW6.2
NetB5_4: "Teensy 2.40" B5.4
NetB5_9: "C 6.2" B5.9 | length 79.1
  Top Layer w10: B5.9 7400.28,5169.72 7405,5165 7445.47,5165
NetB5_13: "R 4.1" "Teensy 2.19" B5.13 B6.17 B7.2 | length 55
  Top Layer w10: B5.13 7322.5,5237.5 7335.63,5250.63 7335.63,5265
NetB5_14: "Teensy 2.11" "Teensy 2.12" "Teensy 2.18" B5.14 B6.16 B7.4 B7.5 R7.1 | length 110
  Top Layer w10: B5.14@7302.5,5215.47 7302.5,5306.87 R7.1
NetB5_17: "Teensy 2.41" B5.17
NetB6_2: "Teensy 2.1" "Teensy 2.39" B6.2
NetB6_3: "Teensy 2.0" "Teensy 2.38" B6.3 B6.5
NetB6_9: "Teensy 2.27" B6.9
NetB7_6: "Teensy 2.10" B7.6
NetB7_7: "Teensy 2.29" B7.7
NetB7_10: "C 8.2" B7.10 SW7.2 | length 225.8
  Top Layer w10: SW7.2 5524.04,2980.63 B7.10 5699.2,3014.12 5705.08,3020
Netb_2_2: b_2.2 b_2.3 b_2.9
Netb_2_5: b_2.5 u_2.3 | length 612
  Top Layer w10: b_2.5 5083.54,3913.54 5065,3895 5065,3655 5115,3605 5309.61,3605 u_2.3
Netb_2_13: b_2.13 T4.2
Netb_2_14: b_2.14 R12.1 T3.6 | length 67.1
  Top Layer w10: T3.6 5760,3845 R12.1
NetC5_1: C5.1 L2.1 R11.2 | length 216.7
  Top Layer w10: C5.1 5679.69,4070.32 5705,4045 L2.1 5748.5,3988.5 5739.53,3979.53 5739.53,3971.89 5736.3,3968.66 5728.66,3968.66 R11.2
NetC6_2: C6.2 SW7.1 | length 286.3
  Top Layer w10: C6.2 5499.25,3159.41 SW7.1
NetDS5_1: DS5.1 DS5.4
NetDS5_2: "Teensy 2.21" DS5.2
NetDS5_3: DS5.3 R10.2
NetQ2_1: "Teensy 2.15" Q2.1
NetQ2_3: "Teensy 2.VIN" Q2.3
NetR8_1: R8.1 SW5.1 | length 122.4
  Top Layer w10: SW5.1@7095,4855 7145,4855 7175,4885 R8.1
NetR9_1: R9.1 SW6.1
NetR11_1: R11.1 T3.1 u_2.4 | length 605.9
  Top Layer w10: u_2.4 5385.59,3605 5575,3605 5620,3650 5620,3845 T3.1 ; T3.1@5650,3846 5650,3928.66 R11.1
NetR12_2: R12.2 T3.2 T4.1 | length 215.1
  Top Layer w10: T4.1@5765,3704 5829,3704 5865.44,3740.44 R12.2
"NetTeensy 2_7": "Teensy 2.7"
"NetTeensy 2_8": "Teensy 2.8"
"NetTeensy 2_13": "Teensy 2.13"
"NetTeensy 2_16": "Teensy 2.16"
"NetTeensy 2_17": "Teensy 2.17"
"NetTeensy 2_20": "Teensy 2.20" Y2.1
"NetTeensy 2_24": "Teensy 2.24"
"NetTeensy 2_26": "Teensy 2.26"
"NetTeensy 2_28": "Teensy 2.28"
"NetTeensy 2_36": "Teensy 2.36"
"NetTeensy 2_37": "Teensy 2.37"
"NetTeensy 2_D+": "Teensy 2.D+" "Type c2.A6" "Type c2.B6"
"NetTeensy 2_D-": "Teensy 2.D-" "Type c2.A7" "Type c2.B7"
"NetTeensy 2_VUSB": "Teensy 2.VUSB" "Type c2.A4" "Type c2.A9" "Type c2.B4" "Type c2.B9"
NetU2_3: U2.3
VCC: B6.6 b_2.6
"VCC 3.3V": B6.7 B6.8 b_2.7 b_2.8 b_2.15 | length 43.3
  Top Layer w10: b_2.8 b_2.7
VDD: C6.1 SW7.3 | length 316.3
  Top Layer w10: C6.1 5309.92,2810.08 5330.59,2789.41 SW7.3
"VDDIO 1.8V": 8.2 "R 4.2" B5.5 B5.12 C4.2 R7.2 R8.2 R9.2 | length 429.4
  Top Layer w10: R8.2 7225.63,4945 7245,4945 7269.25,4969.25 8.2 7248.28,4995.98 C4.2 7248.28,5093.28 7275,5120 7300,5120 7300,5137.84 7301.07,5138.9 7301.07,5142.11 B5.5@7302.58,5143.62 ; B5.12 7342.19,5222.19 7375,5255 7375,5265 7375,5300 R7.2
pads on no net: "Teensy 2.2" "Teensy 2.3" "Teensy 2.3.3V_1" "Teensy 2.3.3V_3" "Teensy 2.4" "Teensy 2.5" "Teensy 2.6" "Teensy 2.9" "Teensy 2.14" "Teensy 2.22" "Teensy 2.23" "Teensy 2.25" "Teensy 2.30" "Teensy 2.31" "Teensy 2.32" "Teensy 2.33" "Teensy 2.34" "Teensy 2.35" "Teensy 2.LED" "Teensy 2.ON/OFF" "Teensy 2.PROGRAM" "Teensy 2.R+" "Teensy 2.R-" "Teensy 2.T+" "Teensy 2.T-" "Teensy 2.VBAT" "Type c2.1" "Type c2.2" "Type c2.3" "Type c2.4" "Type c2.A5" "Type c2.A8" "Type c2.B5" "Type c2.B8" B5.10 B5.11 B5.15 B5.16 B5.18 B5.19 B5.20 B6.4 B6.13 B6.14 B6.18 B7.1 b_2.4 b_2.16 b_2.17 b_2.18 T3.3 T3.4 T3.5 T4.3 T4.4 T4.5 U2.1 u_2.1 u_2.2 u_2.5 u_2.6
copper on no net: | length 297.1
  Top Layer w10: 5310.2,3630 5307.48,3632.72 5294.14,3632.72 5265,3661.86 5265,3740 5265,3745 5375,3855